# KiCad board PC110.kicad_pcb (continued)
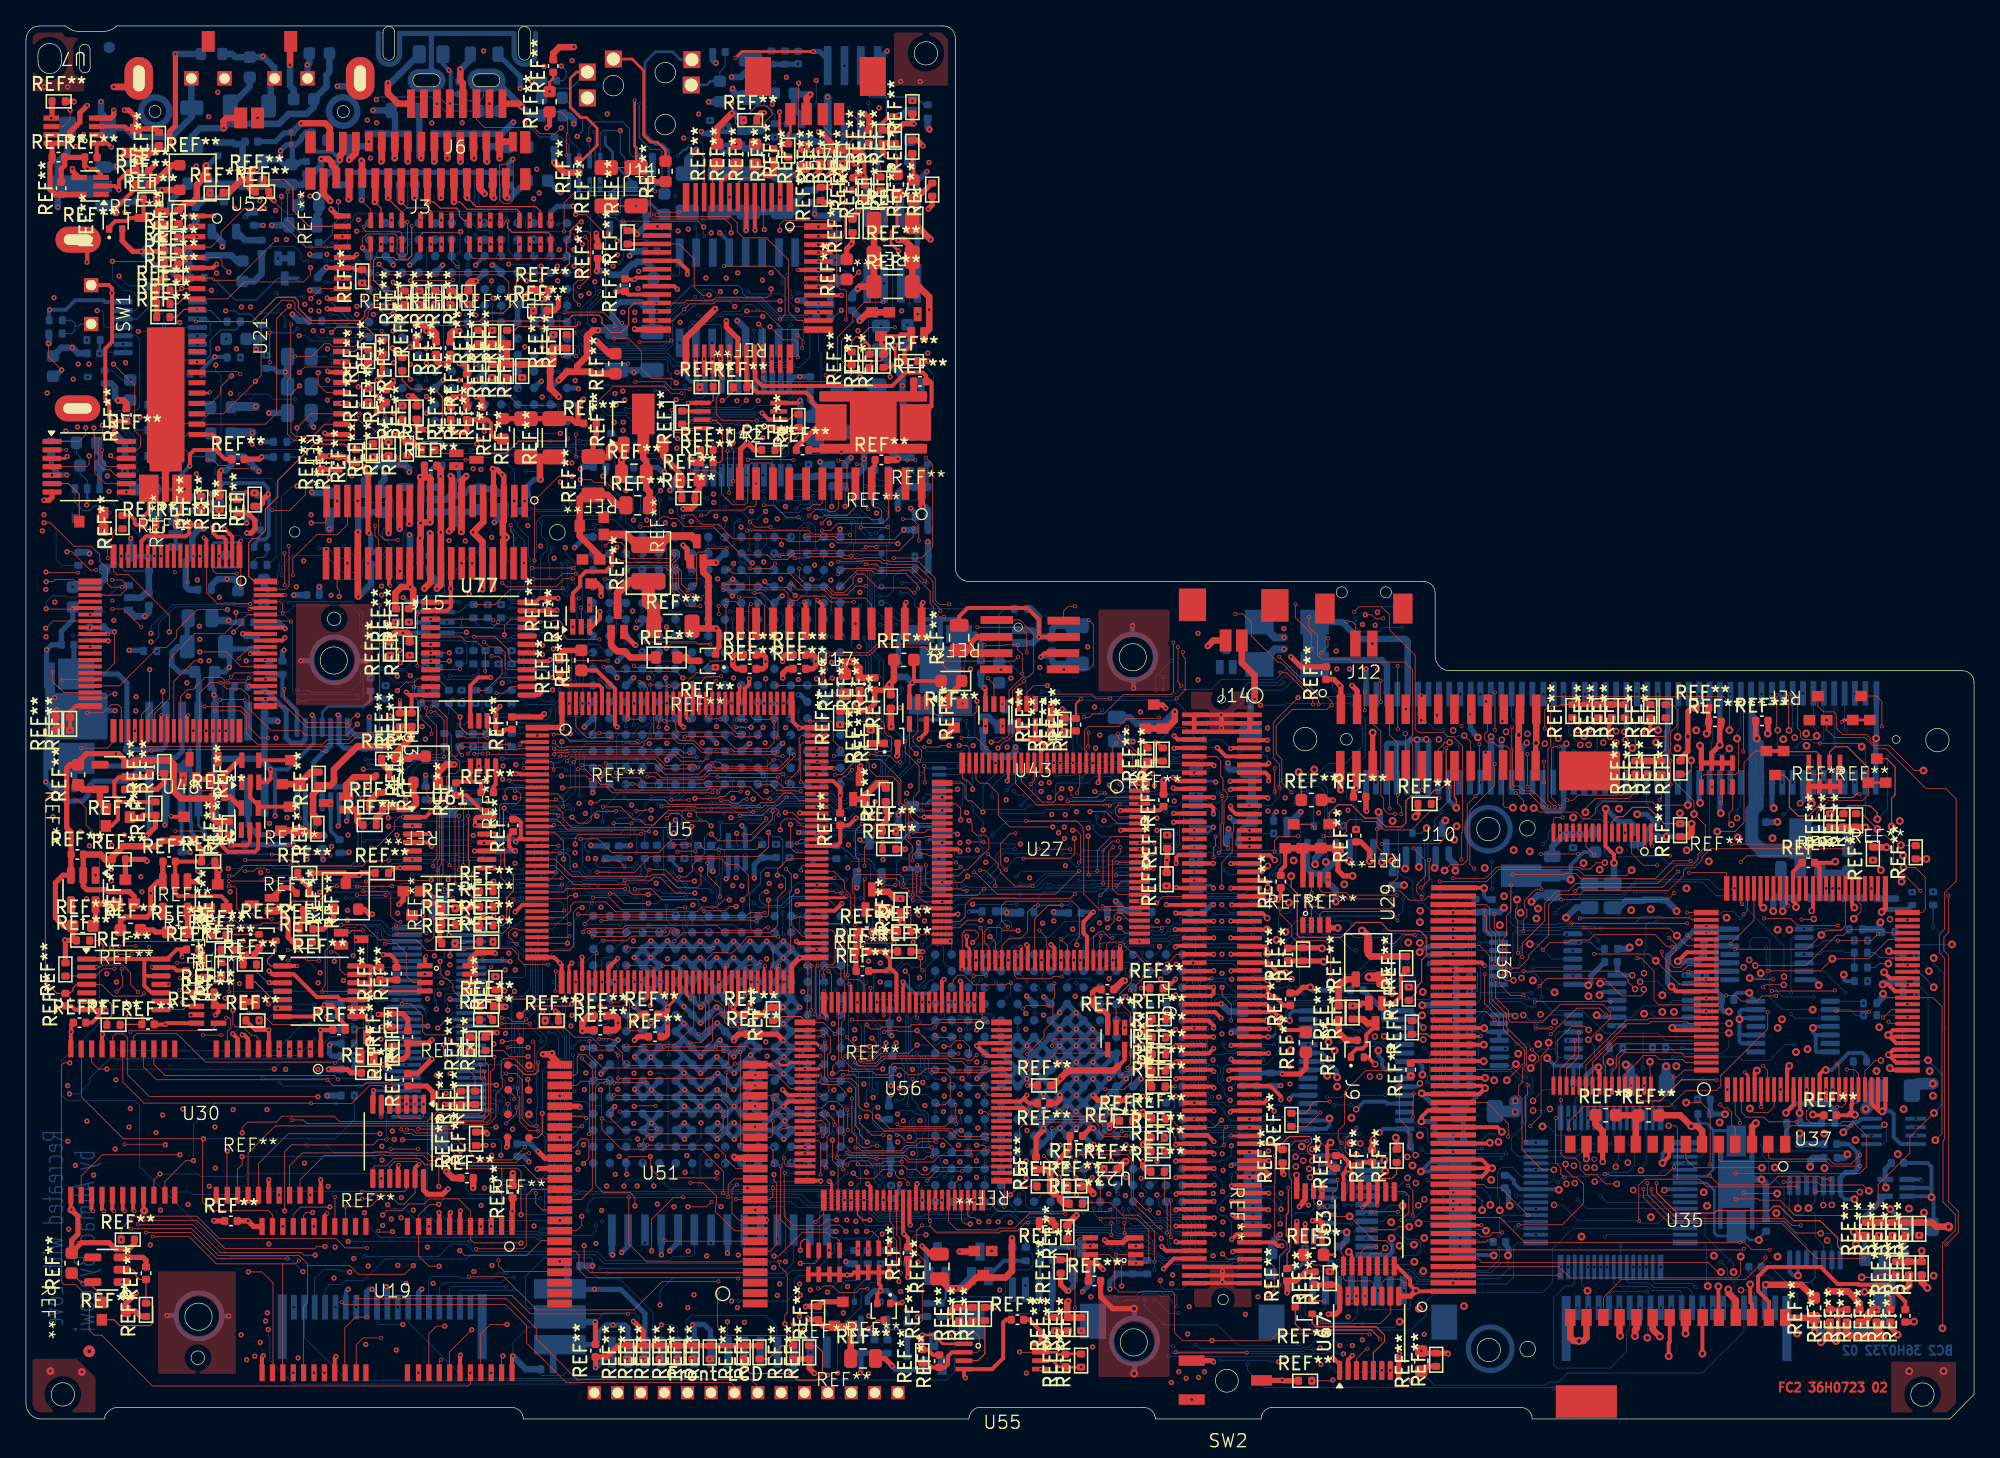
[diagram p0: board, top side]
## Footprints (pads in the part's own frame, mm; a bottom-side part is the same pattern mirrored in y, then rotated) (continued)
PS2
  rect 0.6x2.2 smd: 1(3.6,-2.1) 2(2.6,-2.1) 3(1.6,-2.1) 4(0.55,-2.1) 5(-0.45,-2.1) 6(-1.45,-2.1) 7(-2.45,-2.1) 8(-3.45,-2.1)
PSU_Connector
  rect 0.5x2.5 smd: 1(7.45,2.4) 2(6.65,2.4) 3(5.85,2.4) 4(5.05,2.4) 5(4.25,2.4) 6(3.45,2.4) 7(2.6,2.4) 8(1.85,2.4) 9(1,2.4) 10(0.2,2.4) 11(-0.55,2.4) 12(-1.4,2.4) 13(-2.2,2.4) 14(-3,2.4) 15(-3.8,2.4) 16(-4.6,2.4) 17(-5.4,2.4) 18(-6.2,2.4) 19(-7,2.4) 20(-7.8,2.4) 21(7.4,-2.4) 22(6.6,-2.4) 23(5.8,-2.4) 24(5,-2.4) 25(4.2,-2.4) 26(3.4,-2.4) 27(2.6,-2.4) 28(1.8,-2.4) 29(1,-2.4) 30(0.2,-2.4) 31(-0.6,-2.4) 32(-1.4,-2.4) 33(-2.2,-2.4) 34(-3,-2.4) 35(-3.8,-2.4) 36(-4.6,-2.4) 37(-5.4,-2.4) 38(-6.2,-2.4) 39(-7,-2.4) 40(-7.85,-2.4)
QFN64
  rect 1.9x0.45 smd: 1(-6,3.6) 16(-6,-4.1) 33(5.5,-4.1) 48(5.5,3.6)
  rect 1.9x0.3 smd: 2(-6,3) 3(-6,2.5) 4(-6,2) 5(-6,1.5) 6(-6,1) 7(-6,0.5) 8(-6,0) 9(-6,-0.5) 10(-6,-1) 11(-6,-1.5) 12(-6,-2) 13(-6,-2.5) 14(-6,-3) 15(-6,-3.5) 34(5.5,-3.5) 35(5.5,-3) 36(5.5,-2.5) 37(5.5,-2) 38(5.5,-1.5) 39(5.5,-1) 40(5.5,-0.5) 41(5.5,0) 42(5.5,0.5) 43(5.5,1) 44(5.5,1.5) 45(5.5,2) 46(5.5,2.5) 47(5.5,3)
  rect 0.45x1.9 smd: 17(-4.1,-6) 32(3.6,-6) 49(3.6,5.5) 64(-4.1,5.5)
  rect 0.3x1.9 smd: 18(-3.5,-6) 19(-3,-6) 20(-2.5,-6) 21(-2,-6) 22(-1.5,-6) 23(-1,-6) 24(-0.5,-6) 25(0,-6) 26(0.5,-6) 27(1,-6) 28(1.5,-6) 29(2,-6) 30(2.5,-6) 31(3,-6) 50(3,5.5) 51(2.5,5.5) 52(2,5.5) 53(1.5,5.5) 54(1,5.5) 55(0.5,5.5) 56(0,5.5) 57(-0.5,5.5) 58(-1,5.5) 59(-1.5,5.5) 60(-2,5.5) 61(-2.5,5.5) 62(-3,5.5) 63(-3.5,5.5)
QFN-52
  rect 0.5x2.2 smd: 1(3.6,6.25) 13(-4.4,6.25) 27(-4.4,-6.2) 39(3.6,-6.2)
  rect 0.35x2.2 smd: 2(2.85,6.25) 3(2.2,6.25) 4(1.55,6.25) 5(0.9,6.25) 6(0.25,6.25) 7(-0.4,6.25) 8(-1.05,6.25) 9(-1.7,6.25) 10(-2.35,6.25) 11(-3,6.25) 12(-3.65,6.25) 28(-3.65,-6.2) 29(-3,-6.2) 30(-2.35,-6.2) 31(-1.7,-6.2) 32(-1.05,-6.2) 33(-0.4,-6.2) 34(0.25,-6.2) 35(0.9,-6.2) 36(1.55,-6.2) 37(2.2,-6.2) 38(2.85,-6.2)
  rect 2.2x0.5 smd: 14(-6.6,4) 26(-6.65,-3.95) 40(5.8,-3.95) 52(5.8,4)
  rect 2.2x0.35 smd: 15(-6.65,3.3) 16(-6.65,2.65) 17(-6.65,2) 18(-6.65,1.35) 19(-6.65,0.7) 20(-6.65,0.05) 21(-6.65,-0.6) 22(-6.65,-1.25) 23(-6.65,-1.9) 24(-6.65,-2.55) 25(-6.65,-3.25) 41(5.8,-3.25) 42(5.8,-2.6) 43(5.8,-1.95) 44(5.8,-1.3) 45(5.8,-0.65) 46(5.8,0) 47(5.8,0.65) 48(5.8,1.3) 49(5.8,2) 50(5.8,2.6) 51(5.8,3.25)
QFN-80
  rect 0.45x1.8 smd: 1(4.55,6.75) 20(-5.15,6.75) 41(-5.15,-6.7) 60(4.55,-6.7)
  rect 0.3x1.8 smd: 2(4,6.75) 3(3.5,6.75) 4(3,6.75) 5(2.5,6.75) 6(2,6.75) 7(1.5,6.75) 8(1,6.75) 9(0.5,6.75) 10(0,6.75) 11(-0.5,6.75) 12(-1,6.75) 13(-1.5,6.75) 14(-2,6.75) 15(-2.5,6.75) 16(-3,6.75) 17(-3.5,6.75) 18(-4,6.75) 19(-4.55,6.75) 42(-4.55,-6.7) 43(-4,-6.7) 44(-3.5,-6.7) 45(-3,-6.7) 46(-2.5,-6.7) 47(-2,-6.7) 48(-1.5,-6.7) 49(-1,-6.7) 50(-0.5,-6.7) 51(0,-6.7) 52(0.5,-6.7) 53(1,-6.7) 54(1.5,-6.7) 55(2,-6.7) 56(2.5,-6.7) 57(3,-6.7) 58(3.5,-6.7) 59(4,-6.7)
  rect 1.8x0.45 smd: 21(-6.95,4.8) 40(-6.95,-4.8) 61(6.55,-4.8) 80(6.55,4.8)
  rect 1.8x0.3 smd: 22(-6.95,4.25) 23(-6.95,3.75) 24(-6.95,3.25) 25(-6.95,2.75) 26(-6.95,2.25) 27(-6.95,1.75) 28(-6.95,1.25) 29(-6.95,0.75) 30(-6.95,0.25) 31(-6.95,-0.25) 32(-6.95,-0.75) 33(-6.95,-1.25) 34(-6.95,-1.75) 35(-6.95,-2.25) 36(-6.95,-2.75) 37(-6.95,-3.25) 38(-6.95,-3.75) 39(-6.95,-4.2) 62(6.55,-4.25) 63(6.55,-3.75) 64(6.55,-3.25) 65(6.55,-2.75) 66(6.55,-2.25) 67(6.55,-1.75) 68(6.55,-1.25) 69(6.55,-0.75) 70(6.55,-0.25) 71(6.55,0.25) 72(6.55,0.75) 73(6.55,1.25) 74(6.55,1.75) 75(6.55,2.25) 76(6.55,2.75) 77(6.55,3.25) 78(6.55,3.75) 79(6.55,4.2)
QFN-100
  rect 0.4x1.9 smd: 1(-6.6,-7.575) 25(5.575,-7.575) 51(5.575,7.925) 75(-6.65,7.925)
  rect 0.3x1.9 smd: 2(-6,-7.575) 3(-5.5,-7.575) 4(-5,-7.575) 5(-4.5,-7.575) 6(-4,-7.575) 7(-3.5,-7.575) 8(-3,-7.575) 9(-2.5,-7.575) 10(-2,-7.575) 11(-1.5,-7.575) 12(-1,-7.575) 13(-0.5,-7.575) 14(0,-7.575) 15(0.5,-7.575) 16(1,-7.575) 17(1.5,-7.575) 18(2,-7.575) 19(2.5,-7.575) 20(3,-7.575) 21(3.5,-7.575) 22(4,-7.575) 23(4.5,-7.575) 24(5,-7.575) 52(5,7.925) 53(4.5,7.925) 54(4,7.925) 55(3.5,7.925) 56(3,7.925) 57(2.5,7.925) 58(2,7.925) 59(1.5,7.925) 60(1,7.925) 61(0.5,7.925) 62(0,7.925) 63(-0.55,7.925) 64(-1.05,7.925) 65(-1.55,7.925) 66(-2.05,7.925) 67(-2.55,7.925) 68(-3.05,7.925) 69(-3.55,7.925) 70(-4.05,7.925) 71(-4.55,7.925) 72(-5.05,7.925) 73(-5.55,7.925) 74(-6.05,7.925)
  rect 1.9x0.4 smd: 26(7.275,-6.075) 50(7.275,6.075) 76(-8.225,6.075) 100(-8.225,-6.075)
  rect 1.9x0.3 smd: 27(7.275,-5.5) 28(7.275,-5) 29(7.275,-4.5) 30(7.275,-4) 31(7.275,-3.5) 32(7.275,-3) 33(7.275,-2.5) 34(7.275,-2) 35(7.275,-1.5) 36(7.275,-1) 37(7.275,-0.5) 38(7.275,0) 39(7.275,0.5) 40(7.275,1) 41(7.275,1.5) 42(7.275,2) 43(7.275,2.5) 44(7.275,3) 45(7.275,3.5) 46(7.275,4) 47(7.275,4.5) 48(7.275,5) 49(7.275,5.5) 77(-8.225,5.5) 78(-8.225,5) 79(-8.225,4.5) 80(-8.225,4) 81(-8.225,3.5) 82(-8.225,3) 83(-8.225,2.5) 84(-8.225,2) 85(-8.225,1.5) 86(-8.225,0.95) 87(-8.225,0.5) 88(-8.225,0) 89(-8.225,-0.55) 90(-8.225,-1.05) 91(-8.225,-1.55) 92(-8.225,-2.05) 93(-8.225,-2.5) 94(-8.225,-3) 95(-8.225,-3.5) 96(-8.225,-4.05) 97(-8.225,-4.5) 98(-8.225,-5.05) 99(-8.225,-5.5)
R-array
  rect 0.35x1.2 smd: 1(1.225,1) 2(0.425,1) 3(-0.375,1) 4(-1.175,1) 5(-1.175,-0.85) 6(-0.375,-0.85) 7(0.45,-0.85) 8(1.225,-0.85)
R_0402_1005Metric
  rrect 0.54x0.64 smd: 1(-0.51,0) 2(0.51,0)
R_0603_1608Metric
  rrect 0.8x0.95 smd: 1(-0.825,0) 2(0.825,0)
R_0805_2012Metric
  rrect 1.025x1.4 smd: 1(-0.912,0) 2(0.912,0)
R_1206_3216Metric
  rrect 1.125x1.75 smd: 1(-1.462,0) 2(1.462,0)
R_1206_3216Metric_Pad1.30x1.75mm_HandSolder
  rrect 1.3x1.75 smd: 1(-1.55,0) 2(1.55,0)
RAM Module
  rect 2.3x0.3 smd: 1(2.5,7.4) 2(2.5,6.9) 3(2.5,6.4) 4(2.5,5.9) 5(2.5,5.4) 6(2.5,4.9) 7(2.5,4.4) 8(2.5,3.9) 9(2.5,3.4) 10(2.5,2.9) 11(2.55,2.4) 12(2.55,1.9) 13(2.55,1.4) 14(2.55,0.9) 15(2.55,0.4) 16(2.55,-0.1) 17(2.55,-0.6) 18(2.55,-1.1) 19(2.55,-1.6) 20(2.55,-2.1) 21(2.55,-2.6) 22(2.55,-3.1) 23(2.55,-3.6) 24(2.55,-4.1) 25(2.55,-4.6) 26(2.55,-5.1) 27(2.55,-5.6) 28(2.55,-6.1) 29(2.55,-6.6) 30(2.55,-7.1) 31(-2.45,-7.1) 32(-2.45,-6.6) 33(-2.45,-6.1) 34(-2.45,-5.6) 35(-2.45,-5.1) 36(-2.45,-4.6) 37(-2.45,-4.1) 38(-2.45,-3.6) 39(-2.45,-3.1) 40(-2.45,-2.6) 41(-2.45,-2.1) 42(-2.45,-1.6) 43(-2.45,-1.1) 44(-2.45,-0.6) 45(-2.45,-0.1) 46(-2.45,0.4) 47(-2.45,0.9) 48(-2.45,1.4) 49(-2.45,1.9) 50(-2.45,2.4) 51(-2.45,2.9) 52(-2.45,3.4) 53(-2.45,3.9) 54(-2.45,4.4) 55(-2.45,4.9) 56(-2.45,5.4) 57(-2.45,5.9) 58(-2.45,6.4) 59(-2.45,6.9) 60(-2.45,7.4)
  rect 1.4x1.9 smd: 61(0,9.05) 62(0,-8.7)
RAMchip
  rect 0.4x1.3 smd: 1(9.225,5.475) 2(8.425,5.475) 3(7.625,5.475) 4(6.825,5.475) 5(6.025,5.475) 6(5.225,5.475) 7(4.425,5.475) 8(3.625,5.475) 9(2.825,5.475) 10(2.025,5.475) 11(1.175,5.475) 12(-2.025,5.475) 13(-2.825,5.475) 14(-3.625,5.475) 15(-4.425,5.475) 16(-5.225,5.475) 17(-6.025,5.475) 18(-6.825,5.475) 19(-7.625,5.475) 20(-8.425,5.475) 21(-9.225,5.475) 22(-10.025,5.475) 23(-10.025,-5.8) 24(-9.225,-5.8) 25(-8.425,-5.8) 26(-7.625,-5.8) 27(-6.825,-5.8) 28(-6.025,-5.8) 29(-5.225,-5.8) 30(-4.425,-5.8) 31(-3.625,-5.8) 32(-2.775,-5.8) 33(-2.025,-5.8) 34(1.175,-5.8) 35(2.025,-5.8) 36(2.825,-5.8) 37(3.625,-5.8) 38(4.425,-5.8) 39(5.225,-5.8) 40(6.025,-5.8) 41(6.825,-5.8) 42(7.625,-5.8) 43(8.425,-5.8) 44(9.225,-5.8)
SanDisk
  rect 0.8x1.3 smd: 1(7.65,6.375) 2(6.35,6.375) 3(5.1,6.375) 4(3.8,6.375) 5(2.55,6.375) 6(1.25,6.375) 7(0,6.375) 8(-1.3,6.375) 9(-2.55,6.375) 10(-3.85,6.375) 11(-5.1,6.375) 12(-6.4,6.375) 13(-7.65,6.375) 14(-8.9,6.375) 15(-8.9,-6.975) 16(-7.65,-6.975) 17(-6.35,-6.975) 18(-5.1,-6.975) 19(-3.8,-6.975) 20(-2.55,-6.975) 21(-1.25,-6.975) 22(0,-6.975) 23(1.3,-6.975) 24(2.55,-6.975) 25(3.85,-6.975) 26(5.1,-6.975) 27(6.4,-6.975) 28(7.65,-6.975)
SOIC-8
  rect 3x0.6 smd: 1(-2.95,1.95) 2(-2.95,0.65) 3(-2.95,-0.6) 4(-2.95,-1.9) 5(2.9,-1.905) 6(2.9,-0.635) 7(2.9,0.65) 8(2.9,1.95)
SOIC-8-narrow
  rect 2.5x0.6 smd: 1(-2.8,1.8) 2(-2.85,0.5) 3(-2.85,-0.75) 4(-2.85,-2) 5(2.3,-2) 6(2.3,-0.75) 7(2.35,0.5) 8(2.35,1.75)
soic-8-small
  rect 1.3x0.35 smd: 1(-2.95,0.95) 2(-2.95,0.3) 3(-2.95,-0.35) 4(-2.95,-1) 5(2.95,-1) 6(2.95,-0.35) 7(2.95,0.3) 8(2.95,0.95)
SOIC-16W
  rect 3x0.6 smd: 1(-2.85,4.445) 2(-2.85,3.175) 3(-2.85,1.905) 4(-2.85,0.65) 5(-2.85,-0.635) 6(-2.85,-1.9) 7(-2.85,-3.175) 8(-2.9,-4.445) 9(3,-4.45) 10(3,-3.175) 11(3,-1.9) 12(3,-0.65) 13(3,0.65) 14(3,1.95) 15(3,3.175) 16(2.95,4.45)
SOP48
  rect 1.9x0.6 smd: 1(7.3,-9.55) 2(7.3,-8.75) 3(7.3,-7.95) 4(7.3,-7.15) 5(7.3,-6.35) 6(7.3,-5.55) 7(7.3,-4.75) 8(7.3,-3.95) 9(7.3,-3.15) 10(7.3,-2.35) 11(7.3,-1.55) 12(7.3,-0.75) 13(7.3,0.05) 14(7.3,0.85) 15(7.3,1.65) 16(7.3,2.45) 17(7.3,3.25) 18(7.3,4.05) 19(7.3,4.85) 20(7.3,5.65) 21(7.3,6.45) 22(7.3,7.25) 23(7.3,8.05) 24(7.3,8.85) 25(-7.75,8.85) 26(-7.75,8.05) 27(-7.75,7.25) 28(-7.75,6.45) 29(-7.75,5.65) 30(-7.75,4.85) 31(-7.75,4.05) 32(-7.75,3.25) 33(-7.75,2.45) 34(-7.75,1.65) 35(-7.75,0.85) 36(-7.75,0.05) 37(-7.75,-0.75) 38(-7.75,-1.55) 39(-7.75,-2.35) 40(-7.75,-3.15) 41(-7.75,-3.95) 42(-7.775,-4.75) 43(-7.775,-5.55) 44(-7.775,-6.35) 45(-7.775,-7.15) 46(-7.775,-7.95) 47(-7.775,-8.75) 48(-7.775,-9.55)
SOP-16
  rect 2.2x0.6 smd: 1(-3.45,4.45) 2(-3.45,3.175) 3(-3.45,1.9) 4(-3.45,0.635) 5(-3.45,-0.635) 6(-3.45,-1.905) 7(-3.45,-3.2) 8(-3.45,-4.445) 9(3.5,-4.445) 10(3.5,-3.175) 11(3.5,-1.905) 12(3.5,-0.635) 13(3.5,0.635) 14(3.5,1.95) 15(3.5,3.2) 16(3.5,4.45)
SOP-24
  rect 0.6x2.5 smd: 1(6.7,4.75) 2(5.45,4.75) 3(4.15,4.75) 4(2.85,4.75) 5(1.6,4.75) 6(0.3,4.75) 7(-0.95,4.75) 8(-2.2,4.75) 9(-3.5,4.75) 10(-4.75,4.75) 11(-6.05,4.75) 12(-7.3,4.75) 13(-7.3,-6.05) 14(-6.05,-6.05) 15(-4.75,-6.05) 16(-3.5,-6.05) 17(-2.25,-6.05) 18(-0.95,-6.05) 19(0.3,-6.05) 20(1.6,-6.05) 21(2.85,-6.05) 22(4.15,-6.05) 23(5.4,-6.05) 24(6.7,-6.05)
SOT-23
  rrect 0.9x0.8 smd: 1(-1,0.95) 2(-1,-0.95) 3(1,0)
SOT-23#2
  rrect 1.475x0.6 smd: 1(-0.938,0.95) 2(-0.938,-0.95) 3(0.938,0)
SOT-23-5
  rrect 1.325x0.6 smd: 1(-1.137,0.95) 2(-1.137,0) 3(-1.137,-0.95) 4(1.137,-0.95) 5(1.137,0.95)
SOT-89-3
  rrect 1.3x0.9 smd: 1(-1.95,1.5) 3(-1.95,-1.5)
  custom 4.6x1.733 smd: 2(-1.863,0)
SOT-353
  rect 1.2x0.4 smd: 1(-0.85,0.65) 2(-0.85,0) 3(-0.85,-0.65) 4(0.85,-0.65) 5(0.85,0.65)
SOT-416
  rrect 0.6x0.5 smd: 1(-0.65,0.5) 2(-0.65,-0.5) 3(0.65,0)
SOT-416L
  rect 0.6x1.1 smd: 1(0.45,-0.75) 2(-0.55,-0.75) 3(-0.05,0.8)
SOT-523
  rrect 0.51x0.4 smd: 1(-0.645,0.5) 2(-0.645,-0.5) 3(0.645,0)
SPKR
  rect 0.8x2 smd: 1(0.65,-2.2) 2(-0.65,-2.2)
  rect 1.5x2.3 smd: 3(3,0.5) 4(-3,0.5)
sso-8
  rect 1.2x0.4 smd: 1(-1.75,0.95) 2(-1.75,0.3) 3(-1.75,-0.35) 4(-1.75,-1) 5(1.75,-1) 6(1.75,-0.35) 7(1.75,0.3) 8(1.75,0.95)
SSOP-8_2.95x2.8mm_P0.65mm
  rect 1.6x0.3 smd: 1(-1.7,0.975) 2(-1.7,0.325) 3(-1.7,-0.325) 4(-1.7,-0.975) 5(1.7,-0.975) 6(1.7,-0.325) 7(1.7,0.325) 8(1.7,0.975)
SSOP-24_5.3x8.2mm_P0.65mm
  rect 1.75x0.45 smd: 1(-3.6,3.575) 2(-3.6,2.925) 3(-3.6,2.275) 4(-3.6,1.625) 5(-3.6,0.975) 6(-3.6,0.325) 7(-3.6,-0.325) 8(-3.6,-0.975) 9(-3.6,-1.625) 10(-3.6,-2.275) 11(-3.6,-2.925) 12(-3.6,-3.575) 13(3.6,-3.575) 14(3.6,-2.925) 15(3.6,-2.275) 16(3.6,-1.625) 17(3.6,-0.975) 18(3.6,-0.325) 19(3.6,0.325) 20(3.6,0.975) 21(3.6,1.625) 22(3.6,2.275) 23(3.6,2.925) 24(3.6,3.575)
SSOP-28
  rect 0.6x2.4 smd: 1(7.85,5.25) 2(6.6,5.25) 3(5.3,5.25) 4(4.05,5.25) 5(2.75,5.25) 6(1.5,5.25) 7(0.2,5.25) 8(-1.05,5.25) 9(-2.35,5.25) 10(-3.6,5.25) 11(-4.9,5.25) 12(-6.15,5.25) 13(-7.4,5.25) 14(-8.7,5.25) 15(-8.7,-4.175) 16(-7.45,-4.175) 17(-6.15,-4.175) 18(-4.9,-4.175) 19(-3.6,-4.175) 20(-2.35,-4.175) 21(-1.1,-4.175) 22(0.2,-4.175) 23(1.5,-4.175) 24(2.8,-4.175) 25(4.05,-4.175) 26(5.3,-4.175) 27(6.6,-4.175) 28(7.85,-4.175)
Switch
  rect 1.1x1.1 hole 0.8: 1(0.95,3.25) 2(0.95,0.25)
  oval 3.5x2 hole 2.2x0.8: 3(-0.1,-6.25) 3(-0.05,6.75)
TSOP-5_1.65x3.05mm_P0.95mm
  rect 0.7x0.51 smd: 1(-1.16,0.95) 2(-1.16,0) 3(-1.16,-0.95) 4(1.16,-0.95) 5(1.16,0.95)
TSOT-23
  rrect 1.22x0.65 smd: 1(-1.31,0.95) 2(-1.31,-0.95) 3(1.31,0)
TSOT-23#2
  rect 0.7x1.4 smd: 1(0.65,-0.9) 2(0,1) 3(-0.65,-0.9)
TSSOP-14_4.4x5mm_P0.65mm
  rrect 1.475x0.4 smd: 1(-2.862,1.95) 2(-2.862,1.3) 3(-2.862,0.65) 4(-2.862,0) 5(-2.862,-0.65) 6(-2.862,-1.3) 7(-2.862,-1.95) 8(2.862,-1.95) 9(2.862,-1.3) 10(2.862,-0.65) 11(2.862,0) 12(2.862,0.65) 13(2.862,1.3) 14(2.862,1.95)
TSSOP-14_4.4x5mm_P0.65mm#2
  rrect 1.475x0.4 smd: 1(-2.862,1.95) 2(-2.862,1.3) 3(-2.862,0.65) 4(-2.862,0) 5(-2.862,-0.65) 6(-2.862,-1.3) 7(-2.862,-1.95) 8(2.862,-1.95) 9(2.862,-1.3) 11(2.862,0) 12(2.862,0.65) 13(2.862,1.3) 14(2.862,1.95) U3-Pad1(2.862,-0.65)
TSSOP-16_4.4x5mm_P0.65mm
  rrect 1.475x0.4 smd: 1(-2.862,2.275) 2(-2.862,1.625) 3(-2.862,0.975) 4(-2.862,0.325) 5(-2.862,-0.325) 6(-2.862,-0.975) 7(-2.862,-1.625) 8(-2.862,-2.275) 9(2.862,-2.275) 10(2.862,-1.625) 11(2.862,-0.975) 12(2.862,-0.325) 13(2.862,0.325) 14(2.862,0.975) 15(2.862,1.625) 16(2.862,2.275)
TSSOP-20_4.4x6.5mm_P0.65mm
  rrect 1.475x0.4 smd: 1(-2.862,2.925) 2(-2.862,2.275) 3(-2.862,1.625) 4(-2.862,0.975) 5(-2.862,0.325) 6(-2.862,-0.325) 7(-2.862,-0.975) 8(-2.862,-1.625) 9(-2.862,-2.275) 10(-2.862,-2.925) 11(2.862,-2.925) 12(2.862,-2.275) 13(2.862,-1.625) 14(2.862,-0.975) 15(2.862,-0.325) 16(2.862,0.325) 17(2.862,0.975) 18(2.862,1.625) 19(2.862,2.275) 20(2.862,2.925)
TSSOP-24_6.1x7.8mm_P0.65mm
  rrect 1.475x0.4 smd: 1(-3.712,3.575) 2(-3.712,2.925) 3(-3.712,2.275) 4(-3.712,1.625) 5(-3.712,0.975) 6(-3.712,0.325) 7(-3.712,-0.325) 8(-3.712,-0.975) 9(-3.712,-1.625) 10(-3.712,-2.275) 11(-3.712,-2.925) 12(-3.712,-3.575) 13(3.712,-3.575) 14(3.712,-2.925) 15(3.712,-2.275) 16(3.712,-1.625) 17(3.712,-0.975) 18(3.712,-0.325) 19(3.712,0.325) 20(3.712,0.975) 21(3.712,1.625) 22(3.712,2.275) 23(3.712,2.925) 24(3.712,3.575)
TSSOP-30_6.1x9.7mm_P0.65mm
  rrect 1.475x0.4 smd: 1(-3.712,4.55) 2(-3.712,3.9) 3(-3.712,3.25) 4(-3.712,2.6) 5(-3.712,1.95) 6(-3.712,1.3) 7(-3.712,0.65) 8(-3.712,0) 9(-3.712,-0.65) 10(-3.712,-1.3) 11(-3.712,-1.95) 12(-3.712,-2.6) 13(-3.712,-3.25) 14(-3.712,-3.9) 15(-3.712,-4.55) 16(3.712,-4.55) 17(3.712,-3.9) 18(3.712,-3.25) 19(3.712,-2.6) 20(3.712,-1.95) 21(3.712,-1.3) 22(3.712,-0.65) 23(3.712,0) 24(3.712,0.65) 25(3.712,1.3) 26(3.712,1.95) 27(3.712,2.6) 28(3.712,3.25) 29(3.712,3.9) 30(3.712,4.55)
XTAL-1
  rect 2.4x2.8 smd: 1(-3.25,0.1) 2(3.25,0.1)
  custom 8.3x4.8 smd: 3(0.05,0)
XTAL-2
  rect 1.5x2.1 smd: 1(1.3,-5.55) 2(-1.25,-5.55)
  custom 2.9x13.45 smd: 3(0.05,0)
XTAL-3
  rect 2x1.4 smd: 1(1.45,2.75) 2(1.45,-2.75) 3(-1.45,-2.75) 4(-1.45,2.75)
  custom 3.3x8.05 smd: 5(0,0)
XTAL-4
  rect 4x1.5 smd: 1(-0.15,2.2) 2(-0.15,-2.1)
  custom 4x1.8 smd: 3(-0.1,0)
XTAL-5
  rect 1.5x2.4 smd: 1(0,-3.2) 2(0,3.4)
  custom 2.8x7.05 smd: 3(0,0)
XTAL-6
  rect 2.4x2.8 smd: 1(-3.25,0.1) 2(3.25,0.1)
  custom 8.3x4.8 smd: 3(0.05,0)

## Nets
A5VDET_AGPI: J16.19 U25.P3
AV9_1_84MHz: U8#2.1
AV9_2XCPUCLK: REF**#624.1 U8#2.14
AV9_12MHz: U8#2.7
AV9_14_318MHz: REF**#840.2 U8#2.11
AV9_24MHz: REF**#481.2 U8#2.6
AV9_FS2: REF**#74.2 REF**#309.1 REF**#497.1 REF**#641.3 REF**#743.2 REF**#818.1 U8#2.10 U8#2.16
AV9_OE: REF**#190.1 REF**#403.1 U8#2.9
AV9_VDD: REF**#465.2 REF**#565.2 REF**#701.2 REF**#761.2 REF**#818.2 U8#2.4 U8#2.13
AV9_X1: U8#2.3
AV9_X2: REF**#575.2 REF**#808.2 U8#2.2 X2.2
AVCC3EN#: REF**#853.6 U25.P4
AVCC5EN#: REF**#853.5 U25.M6
GND: J2.10 J2.26 J2.36 J2.55 J5.2 J7.9 J8.1 J8.50 J8.51 J8.64 J8.66 J8.68 J8.70 J8.75 J8.85 J8.100 J9.1 J9.15 J9.16 J9.17 J9.19 J9.21 J9.23 J9.27 J9.29 J9.31 J9.33 J9.50 J10.1 J10.13 J10.14 J10.26 J14.2 J15.7 J15.9 J15.29 J15.32 J15.37 J16.1 J16.2 J16.3 J16.68 J16.69 J16.70 J16.71 J16.72 J16.73 J16.138 J16.139 J16.140 J17.2 REF**#5.2 REF**#6.2 REF**#8.2 REF**#9.1 REF**#10.1 REF**#14.1 REF**#15.3 REF**#17.1 REF**#18.2 REF**#19.1 REF**#19.3 REF**#24.1 REF**#26.1 REF**#27.3 REF**#28.2 REF**#37.5 REF**#37.6 REF**#37.7 REF**#37.8 REF**#38.1 REF**#42.1 REF**#43.1 REF**#46.1 REF**#53.1 REF**#57.1 REF**#58.3 REF**#61.1 REF**#67.2 REF**#68.2 REF**#71.1 REF**#76.2 REF**#78.2 REF**#79.1 REF**#80.1 REF**#81.2 REF**#82.1 REF**#83.1 REF**#85.1 REF**#86.2 REF**#87.2 REF**#91.2 REF**#92.2 REF**#98.2 REF**#99.2 REF**#102.1 REF**#106.1 REF**#110.2 REF**#111.1 REF**#112.1 REF**#114.2 REF**#118.2 REF**#121.7 REF**#122.1 REF**#124.7 REF**#126.1 REF**#128.1 REF**#129.1 REF**#133.2 REF**#135.2 REF**#138.2 REF**#141.2 REF**#143.2 REF**#146.1 REF**#147.2 REF**#151.3 REF**#152.1 REF**#153.2 REF**#156.2 REF**#158.2 REF**#159.2 REF**#160.7 REF**#165.2 REF**#168.1 REF**#169.2 REF**#170.2 REF**#174.1 REF**#175.1 REF**#176.1 REF**#177.5 REF**#177.6 REF**#177.7 REF**#177.8 REF**#180.1 REF**#183.2 REF**#185.3 REF**#186.2 REF**#190.3 REF**#194.2 REF**#196.2 REF**#198.1 REF**#203.7 REF**#204.1 REF**#205.1 REF**#206.1 REF**#208.2 REF**#209.1 REF**#212.2 REF**#216.1 REF**#217.2 REF**#219.2 REF**#223.2 REF**#226.1 REF**#229.2 REF**#230.2 REF**#231.2 REF**#233.3 REF**#235.2 REF**#236.1 REF**#237.2 REF**#238.2 REF**#239.1 REF**#242.2 REF**#246.1 REF**#247.2 REF**#249.2 REF**#250.2 REF**#251.2 REF**#252.2 REF**#253.1 REF**#254.3 REF**#263.3 REF**#264.1 REF**#269.1 REF**#270.2 REF**#273.2 REF**#279.1 REF**#286.2 REF**#288.2 REF**#289.1 REF**#295.2 REF**#296.2 REF**#297.2 REF**#298.2 REF**#302.3 REF**#303.2 REF**#306.2 REF**#307.1 REF**#313.1 REF**#317.2 REF**#318.4 REF**#319.2 REF**#320.4 REF**#322.1 REF**#323.1 REF**#324.1 REF**#326.1 REF**#327.2 REF**#333.1 REF**#336.2 REF**#337.2 REF**#339.2 REF**#343.1 REF**#348.1 REF**#353.2 REF**#354.2 REF**#356.1 REF**#360.1 REF**#363.1 REF**#364.2 REF**#366.3 REF**#367.1 REF**#372.2 REF**#377.2 REF**#378.1 REF**#379.2 REF**#382.2 REF**#383.1 REF**#385.1 REF**#386.2 REF**#389.2 REF**#391.1 REF**#393.1 REF**#394.2 REF**#395.2 REF**#401.1 REF**#403.2 REF**#405.1 REF**#414.3 REF**#419.2 REF**#424.2 REF**#428.1 REF**#429.2 REF**#432.2 REF**#434.2 REF**#435.2 REF**#437.2 REF**#440.2 REF**#441.1 REF**#444.2 REF**#445.2 REF**#446.2 REF**#450.1 REF**#453.2 REF**#454.3 REF**#456.2 REF**#458.1 REF**#460.1 REF**#463.2 REF**#465.1 REF**#470.2 REF**#475.2 REF**#477.1 REF**#480.1 REF**#483.2 REF**#491.3 REF**#496.1 REF**#498.1 REF**#503.1 REF**#504.2 REF**#505.1 REF**#508.1 REF**#509.2 REF**#512.1 REF**#515.2 REF**#518.2 REF**#520.2 REF**#521.2 REF**#523.2 REF**#525.2 REF**#529.1 REF**#530.1 REF**#533.1 REF**#536.2 REF**#540.2 REF**#542.1 REF**#544.2 REF**#545.2 REF**#550.1 REF**#556.1 REF**#558.1 REF**#561.2 REF**#565.1 REF**#568.2 REF**#572.2 REF**#580.1 REF**#581.1 REF**#583.2 REF**#586.2 REF**#587.1 REF**#588.1 REF**#595.2 REF**#596.2 REF**#597.1 REF**#598.2 REF**#601.1 REF**#602.2 REF**#603.1 REF**#604.1 REF**#605.2 REF**#606.1 REF**#609.2 REF**#614.1 REF**#621.2 REF**#622.3 REF**#623.1 REF**#630.1 REF**#632.2 REF**#634.1 REF**#640.1 REF**#642.2 REF**#643.2 REF**#644.1 REF**#645.2 REF**#646.1 REF**#649.1 REF**#654.2 REF**#656.1 REF**#658.2 REF**#660.2 REF**#661.1 REF**#662.1 REF**#666.2 REF**#667.1 REF**#670.1 REF**#678.2 REF**#682.1 REF**#688.2 REF**#689.2 REF**#692.2 REF**#695.2 REF**#696.2 REF**#697.2 REF**#701.1 REF**#702.2 REF**#704.2 REF**#706.1 REF**#710.1 REF**#714.2 REF**#718.2 REF**#719.1 REF**#720.2 REF**#721.2 REF**#722.1 REF**#724.2 REF**#728.2 REF**#730.1 REF**#731.2 REF**#732.3 REF**#734.2 REF**#735.1 REF**#736.1 REF**#737.2 REF**#738.2 REF**#739.2 REF**#742.1 REF**#743.1 REF**#746.2 REF**#754.2 REF**#755.2 REF**#757.2 REF**#758.2 REF**#761.1 REF**#763.1 REF**#765.1 REF**#770.2 REF**#772.2 REF**#773.2 REF**#774.2 REF**#775.1 REF**#776.2 REF**#779.2 REF**#781.2 REF**#784.2 REF**#785.1 REF**#786.1 REF**#788.2 REF**#792.2 REF**#793.2 REF**#793.3 REF**#794.1 REF**#801.1 REF**#802.1 REF**#803.2 REF**#804.1 REF**#805.1 REF**#807.3 REF**#808.1 REF**#809.2 REF**#811.1 REF**#820.2 REF**#822.2 REF**#823.4 REF**#824.2 REF**#826.2 REF**#829.1 REF**#829.2 REF**#830.2 REF**#831.1 REF**#832.1 REF**#833.1 REF**#834.2 REF**#837.1 REF**#838.1 REF**#839.1 REF**#843.1 REF**#844.1 REF**#845.2 REF**#847.2 REF**#849.2 REF**#850.2 REF**#853.12 REF**#859.7 U1.F4 U1.F5 U1.F6 U1.F7 U1.F8 U1.F9 U1.F10 U1.F11 U1.F12 U1.F13 U1.G4 U1.G5 U1.G6 U1.G7 U1.G8 U1.G9 U1.G10 U1.G11 U1.G12 U1.G13 U1.H4 U1.H5 U1.H6 U1.H7 U1.H8 U1.H9 U1.H10 U1.H11 U1.H12 U1.H13 U1.J4 U1.J5 U1.J6 U1.J7 U1.J8 U1.J9 U1.J10 U1.J11 U1.J12 U1.J13 U1.K4 U1.K5 U1.K6 U1.K7 U1.K8 U1.K9 U1.K10 U1.K11 U1.K13 U1.L4 U1.L5 U1.L6 U1.L7 U1.L8 U1.L9 U1.L10 U1.L11 U1.L12 U1.L13 U2.A16 U2.C8 U2.C10 U2.F11 U2.K14 U2.P8 U2.T1 U2.T16 U3.4 U3.5 U3.7 U5.8 U5.28 U5.44 U5.64 U5.80 U5.100 U5.116 U5.136 U6.23 U6.39 U7.4 U8.1 U8.10 U8.19 U8#2.5 U8#2.8 U8#2.12 U8#2.15 U9.1 U9.4 U9.10 U9.13 U14.12 U14.13 U14.23 U17.12 U19.23 U19.30 U19.39 U19.44 U21.21 U21.27 U21.35 U21.40 U22.4 U23.B3 U23.B10 U23.D3 U23.D7 U23.E11 U23.G11 U23.H10 U23.J4 U23.L7 U23.L11 U25.D7 U25.E7 U25.E8 U25.E9 U25.E11 U25.F6 U25.F7 U25.F8 U25.F9 U25.F10 U25.F11 U25.G6 U25.G7 U25.G8 U25.G9 U25.G10 U25.G11 U25.G12 U25.H5 U25.H6 U25.H7 U25.H8 U25.H9 U25.H10 U25.H11 U25.H12 U25.J4 U25.J5 U25.J6 U25.J7 U25.J8 U25.J9 U25.J10 U25.J11 U25.J12 U25.J13 U25.K5 U25.K6 U25.K7 U25.K8 U25.K9 U25.K10 U25.K11 U25.K12 U25.L6 U25.L7 U25.L8 U25.L9 U25.L10 U25.L11 U25.M8 U25.M9 U25.M10 U25.N9 U25.P1 U26.12 U26.13 U27.4 U27.45 U27.65 U27.93 U28.7 U29.4 U30.23 U30.30 U30.39 U30.44 U31.18 U31.24 U34.14 U35.3 U35.6 U35.8 U35.12 U35.15 U35.16 U35.18 U35.19 U36.24 U37.10 U37.20 U37.23 U37.24 U37.25 U37.26 U37.27 U37.28 U37.29 U37.30 U37.31 U37.32 U37.40 U37.44 U37.51 U37.61 U37.70 U37.82 U37.94 U39.7 U39.9 U39.10 U39.12 U39.13 U40.4 U40.5 U40.7 U40.9 U40.10 U40.12 U40.13 U41.7 U42.22 U42.26 U42.33 U43.7 U44.4 U44.5 U45.4 U48.30 U48.73 U51.15 U51.34 U52.2 U52.9 U52.10 U53.7 U54.4 U54.5 U54.7 U55.4 U56.4 U56.13 U56.37 U56.63 U56.87 U61.7 U67.8 U67.9 U77.12 U77.13 U77.23 X2.3 X4.3
ABVD1_STSCHG#: J16.59 REF**#145.2 U25.M13
ABVD2_SPKR#: J16.57 REF**#220.2 U25.P16
ACA0: J16.58 U25.P15
ACA1: J16.56 U25.N13
ACA2: J16.54 U25.L12
ACA3: J16.52 U25.P14
ACA4: J16.50 U25.M12
ACA5: J16.48 U25.R15
ACA6: J16.46 U25.T15
ACA7: J16.44 U25.M11
ACA8: J16.24 U25.R9
ACA9: J16.22 U25.T9
ACA10: J16.16 U25.R7
ACA11: J16.20 U25.R8
ACA12: J16.42 U25.T14
ACA13: J16.26 U25.P10
ACA14: J16.28 U25.T11
ACA15: J16.40 U25.P12
ACA16: J16.38 U25.R12
ACA17: J16.25 U25.T10
ACA18: J16.27 U25.R10
ACA19: J16.29 U25.P11
ACA20: J16.31 U25.T12
ACA21: J16.33 U25.N10
ACA22: J16.39 U25.T13
ACA23: J16.41 U25.R13
ACA24: J16.43 U25.P13
ACA25: J16.45 U25.R14
ACD0: J16.60 U25.N16
ACD1: J16.62 U25.N15
ACD1#: J16.5 REF**#211.2 U25.T4
ACD2: J16.64 U25.M16
ACD2#: J16.67 REF**#136.2 U25.L16
ACD3: J16.4 U25.N5
ACD4: J16.6 U25.M7
ACD5: J16.8 U25.P5
ACD6: J16.10 U25.R5
ACD7: J16.12 U25.T6
ACD8: J16.61 U25.K13
ACD9: J16.63 U25.M14
ACD10: J16.65 U25.M15
ACD11: J16.7 U25.R4
ACD12: J16.9 U25.T5
ACD13: J16.11 U25.N6
ACD14: J16.13 U25.R6
ACD15: J16.15 U25.T7
ACE1#: J16.14 U25.P6
ACE2#: J16.17 U25.P7
ACIORD#: J16.21 U25.P8
ACIOWR#: J16.23 U25.P9
AEN: REF**#823.6 U2.G16 U5.114 U25.K1 U27.44 U56.6
AINPACK#: J16.53 REF**#410.2 U25.N14
AOE#: J16.18 U25.T8
ARDY_BSY#: J16.32 REF**#3.2 U25.N11
AREG#: J16.55 U25.R3
ARESET: J16.49 U25.T16
AVPP_EN0: REF**#853.4 U25.T2
AVPP_EN1: REF**#853.3 U25.M5
AWAIT#: J16.51 REF**#409.2 U25.R16
AWE#: J16.30 U25.R11
AWP_IOIS16#: J16.66 U25.L13
B5VDET_BGPI: J16.89 U25.N4
BALE: U2.K15 U25.D1
BBVD1_STSCHG#: J16.129 REF**#213.1 U25.C11
BBVD2_SPKR#: J16.127 REF**#188.2 U25.B11
BCA0: J16.128 U25.D10
BCA1: J16.126 U25.A11
BCA2: J16.124 U25.D11
BCA3: J16.122 U25.A12
BCA4: J16.120 U25.B13
BCA5: J16.118 U25.D12
BCA6: J16.116 U25.B14
BCA7: J16.114 U25.D13
BCA8: J16.94 U25.E15
BCA9: J16.92 U25.F13
BCA11: J16.90 U25.F15
BCA12: J16.112 U25.C14
BCA13: J16.96 U25.E14
BCA14: J16.98 U25.C16
BCA15: J16.110 U25.E12
BCA16: J16.108 U25.A16
BCA17: J16.95 U25.D16
BCA18: J16.97 U25.D15
BCA19: J16.99 U25.D14
BCA20: J16.101 U25.C15
BCA21: J16.103 U25.B15
BCA22: J16.109 U25.E13
BCA23: J16.111 U25.A15
BCA24: J16.113 U25.C13
BCA25: J16.115 U25.A14
BCD0: J16.130 U25.A10
BCD1: J16.132 U25.C10
BCD1#: J16.75 REF**#538.2 U25.K16
BCD2: J16.134 U25.B9
BCD2#: J16.137 REF**#120.1 U25.A8
BCD3: J16.74 U25.L14
BCD4: J16.76 U25.K15
BCD5: J16.78 U25.J16
BCD6: J16.80 U25.J14
BCD7: J16.82 U25.H14
BCD8: J16.131 U25.B10
BCD9: J16.133 U25.A9
BCD10: J16.135 U25.D9
BCD10_2: J16.86 U25.G15
BCD11: J16.77 U25.K14
BCD12: J16.79 U25.J15
BCD13: J16.81 U25.H16
BCD14: J16.83 U25.H15
BCD15: J16.85 U25.G14
BCE1#: J16.84 U25.G16
BCE2#: J16.87 U25.F16
BCIORD#: J16.91 U25.E16
BCIOWR#: J16.93 U25.G13
BINPACK#: J16.123 REF**#184.1 U25.B12
BIOS_CE#: U2.G15 U6.22
BIOS_DU: U6.12
BIOS_RP#: REF**#106.2 REF**#161.3 U6.10
BIOS_SA17: U6.40 U56.54
BIOS_Vpp: REF**#161.1 REF**#521.1 REF**#532.3 REF**#847.1 U6.11
BIOS_WE#: REF**#185.4 U6.9
BOE#: J16.88 U25.F14
BRDY_BSY#: J16.102 REF**#417.2 U25.B16
BREG#: J16.125 U25.L15
BRESET: J16.119 U25.A13
BridgeBat: F4.2 J14.1
BridgeBat_F4: F4.1 REF**#62.1 REF**#125.2 REF**#604.2
BridgeBat_F4_anode: REF**#125.1 REF**#125.3 REF**#856.2
BVCC3EN#: REF**#853.26 U25.R2
BVCC5EN#: REF**#853.27 U25.T1
BVPP_EN0: REF**#853.28 U25.R1
BVPP_EN1: REF**#853.29 U25.P2
BWAIT#: J16.121 REF**#139.2 U25.C12
BWE#: J16.100 U25.F12
